# Altium PCB 20220516_Keyboard_V0.2.PcbDoc (part 1 of 2)
Units mil, origin at the board's own origin, x right, y up, seen from the top; angles counter-clockwise.
Board outline 8065.67 x 4703.83 mil, 2 copper layers (Top Layer, Bottom Layer); 129 components, 101 nets, 682 pads, 2065 vias.
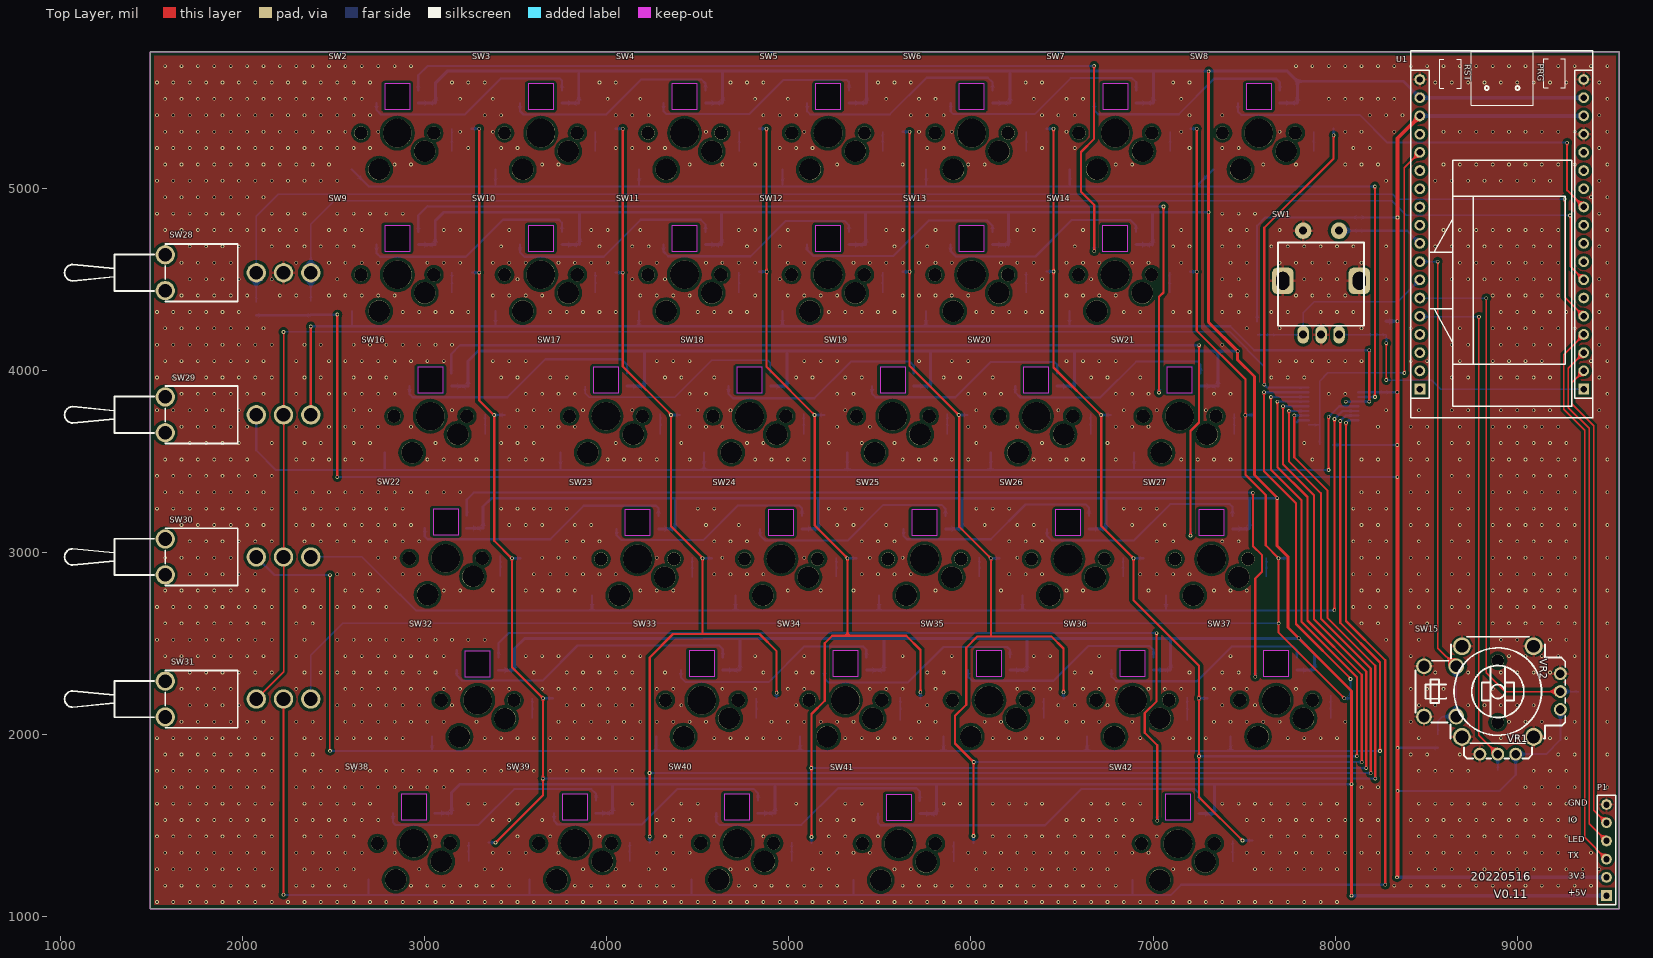
[diagram p0: Top Layer view]
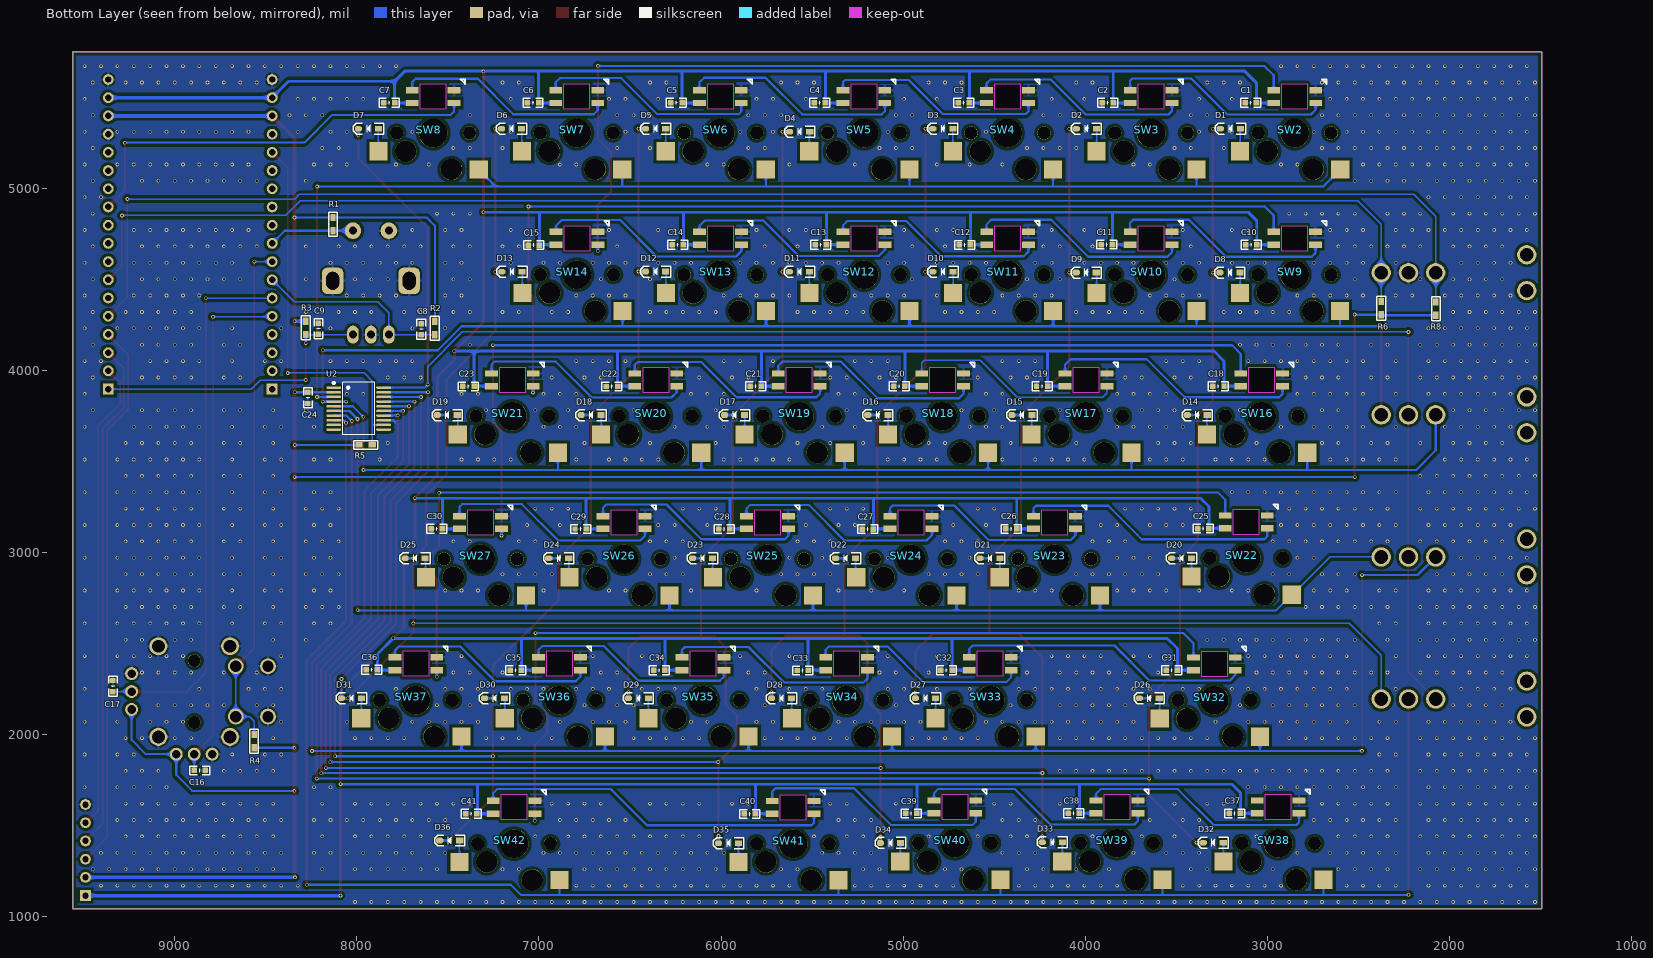
[diagram p1: Bottom Layer view, seen from below]
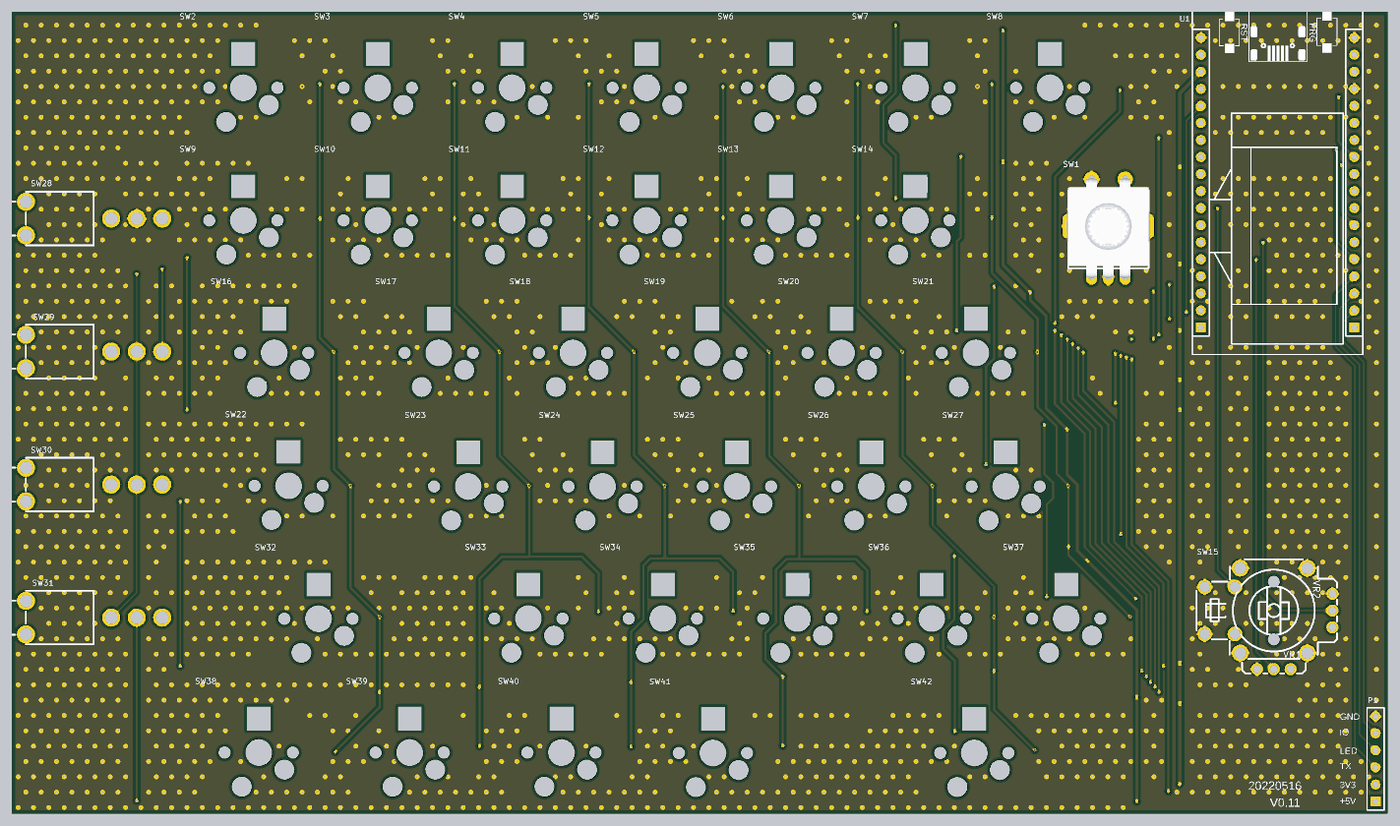
[diagram p3: 3D render of the assembled board from above, using the file's embedded part models]
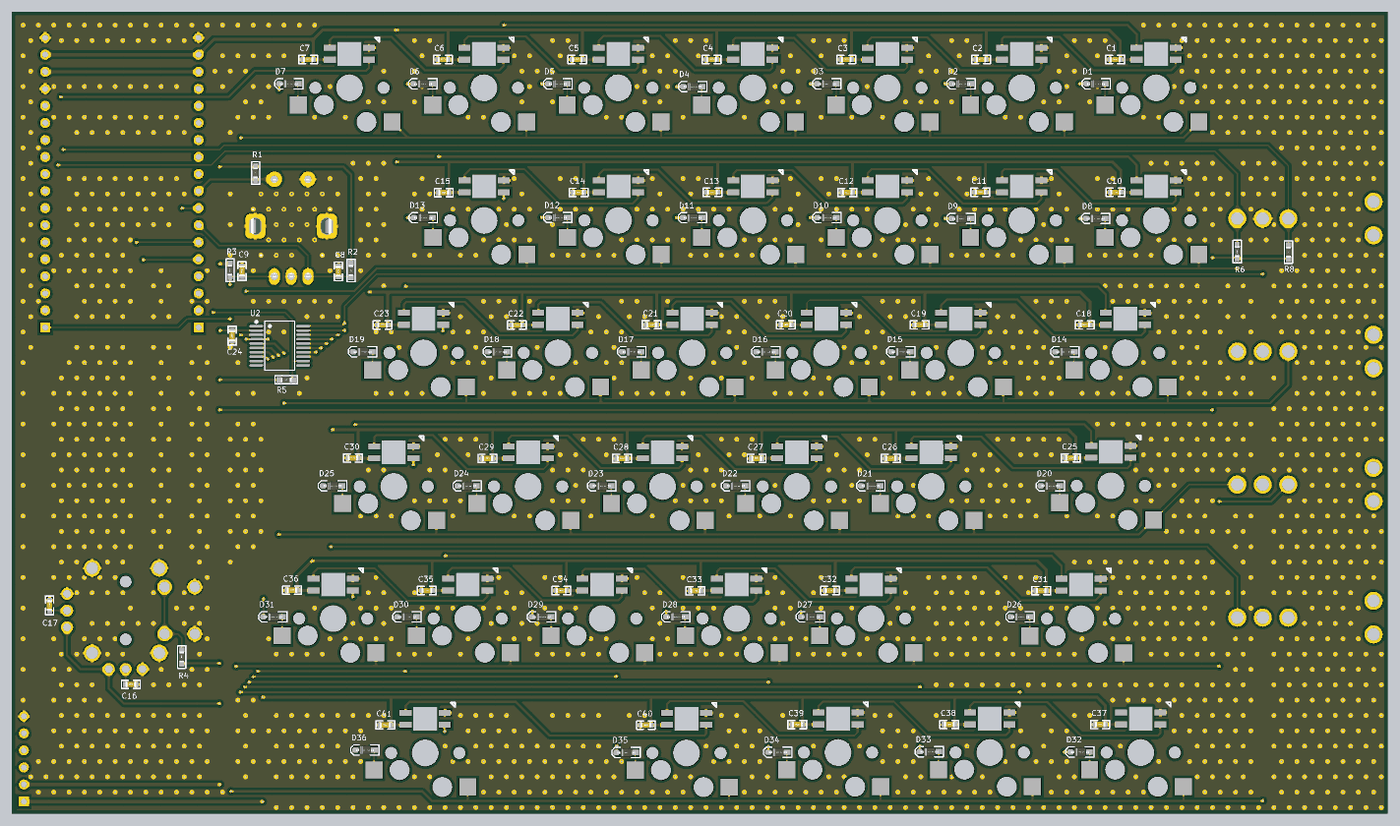
[diagram p4: 3D render of the assembled board from below, using the file's embedded part models]

## Layer stack, top to bottom
Top Solder: solder mask 0.4, Solder Resist, Dk 3.5
Top Layer: signal copper 1.4
Dielectric 1: dielectric 12.6, FR-4, Dk 4.8
Bottom Layer: signal copper 1.4
Bottom Solder: solder mask 0.4, Solder Resist, Dk 3.5

## Board outline
1493.97,1044.09 9559.65,1044.09 9559.65,5747.91 1493.97,5747.91

## Design rules (kind name [scope] priority, off if disabled: settings)
Clearance EARTH [InPolygon vs InNet('EARTH')] p1: gap=39.37
Clearance NETP1-1 [InPolygon vs InNet('NetP1_1')] p2: gap=59.06
Clearance AGND [InPolygon vs InNet('AGND')] p3: gap=39.37
Clearance 12V [InPolygon vs InNet('+12V')] p4: gap=59.06
Clearance inpoly [All vs InPolygon] p5: gap=15.75
Clearance "pad vs trace" [(IsPad) vs (IsTrack)] p6: gap=7.87
Clearance pad [(IsPad) vs (IsPad)] p7: gap=5.91
Clearance Clearance_1 [All] p8: gap=7.87
ComponentClearance [All] p1: gap=0 collisioncheckmode=3 verticalgap=0 showdistances=FALSE
DiffPairsRouting [All] p1: maxlimit=118.11 minlimit=3.94 mostfreqgap=7.87 toplayer_minwidth=15 toplayer_maxwidth=15 toplayer_prefwidth=15 bottomlayer_minwidth=15 bottomlayer_maxwidth=15 bottomlayer_prefwidth=15 maxuncoupledlength=500
HoleSize [All] p1: absolutevalues=TRUE maxlimit=200 minlimit=0 maxpercent=80.000 minpercent=20.000
HoleSize Testpoint [(IsPad And (OnTopLayer Or OnBottomLayer))] p2: absolutevalues=TRUE maxlimit=100 minlimit=1 maxpercent=80.000 minpercent=20.000
HoleSize TestPointUsage [All] p3: absolutevalues=TRUE maxlimit=100 minlimit=1 maxpercent=80.000 minpercent=20.000
HoleToHoleClearance [All] p1: gap=0 allowstackedmicrovias=TRUE
MinimumSolderMaskSliver [All] p1: minsoldermaskwidth=0
MinimumSolderMaskSliver SilkscreenOverComponentPads [IsPad] p2: minsoldermaskwidth=10
NetAntennae [All] p1: netantennaetolerance=99999
PlaneConnect [All] p1: planeconnectstyle=Direct reliefexpansion=20 reliefentries=4 reliefconductorwidth=10 reliefairgap=10
PolygonConnect PolygonConnect_1 [ViaDiameter] p1: connectstyle=Direct reliefconductorwidth=10 reliefentries=4 polygonreliefangle="90 Angle" airgapwidth=10
PolygonConnect [All] p2: connectstyle=Relief reliefconductorwidth=15.75 reliefentries=4 polygonreliefangle="90 Angle" airgapwidth=10
RoutingVias [All] p1: holewidth=11.81 width=27.56 viastyle="Through Hole" minholewidth=5 minwidth=10 maxholewidth=50 maxwidth=200
SilkToSilkClearance [All] p1: silktosilkclearance=0
SilkToSolderMaskClearance [IsPad] p1: minsilkscreentomaskgap=0 clearancetoexposedcopper=TRUE
SolderMaskExpansion [All] p1: expansion=4
Width [All] p1: maxlimit=118.11 minlimit=3.94 preferedwidth=11.81
21 further rules are at their usual default settings.

## Components (designator, comment, footprint, x,y, rotation, side; value= is the part's Value field where it differs from the comment)
C1 "0.1uF/0603" "C 0603_L" 3091.13,5468.49 r180 bottom
C2 "0.1uF/0603" "C 0603_L" 3876.95,5468.49 r180 bottom
C3 "0.1uF/0603" "C 0603_L" 4666.99,5468.49 r180 bottom
C4 "0.1uF/0603" "C 0603_L" 5457.27,5468.49 r180 bottom
C5 "0.1uF/0603" "C 0603_L" 6244.93,5468.49 r180 bottom
C6 "0.1uF/0603" "C 0603_L" 7032.69,5468.49 r180 bottom
C7 "0.1uF/0603" "C 0603_L" 7822.92,5468.49 r180 bottom
C8 "22pF/0603" "C 0603_L" 7645.71,4225.43 r270 bottom
C9 "22pF/0603" "C 0603_L" 8211.01,4227.32 r90 bottom
C10 "0.1uF/0603" "C 0603_L" 3088.66,4689.24 r180 bottom
C11 "0.1uF/0603" "C 0603_L" 3881.86,4690.07 r180 bottom
C12 "0.1uF/0603" "C 0603_L" 4661.68,4688.33 r180 bottom
C13 "0.1uF/0603" "C 0603_L" 5452.62,4689.19 r180 bottom
C14 "0.1uF/0603" "C 0603_L" 6237.5,4688.78 r180 bottom
C15 "0.1uF/0603" "C 0603_L" 7028.4,4687.32 r180 bottom
C16 "0.1uF/0603" "C 0603_L" 8862.81,1802.17 r0 bottom
C17 "0.1uF/0603" "C 0603_L" 9339.42,2265.63 r270 bottom
C18 "0.1uF/0603" "C 0603_L" 3268.66,3911.65 r180 bottom
C19 "0.1uF/0603" "C 0603_L" 4237.18,3911.67 r180 bottom
C20 "0.1uF/0603" "C 0603_L" 5020.92,3911.8 r180 bottom
C21 "0.1uF/0603" "C 0603_L" 5809.02,3912.25 r180 bottom
C22 "0.1uF/0603" "C 0603_L" 6599.13,3910.72 r180 bottom
C23 "0.1uF/0603" "C 0603_L" 7387.01,3910.95 r180 bottom
C24 "0.1uF/0603" "C 0603_L" 8268.66,3847.91 r90 bottom
C25 "0.1uF/0603" "C 0603_L" 3351.45,3130.63 r180 bottom
C26 "0.1uF/0603" "C 0603_L" 4406.66,3128.4 r180 bottom
C27 "0.1uF/0603" "C 0603_L" 5193.61,3127.95 r180 bottom
C28 "0.1uF/0603" "C 0603_L" 5982.52,3128.04 r180 bottom
C29 "0.1uF/0603" "C 0603_L" 6771.54,3128.12 r180 bottom
C30 "0.1uF/0603" "C 0603_L" 7560.37,3129.89 r180 bottom
C31 "0.1uF/0603" "C 0603_L" 3524.85,2352.32 r180 bottom
C32 "0.1uF/0603" "C 0603_L" 4762.07,2352.96 r180 bottom
C33 "0.1uF/0603" "C 0603_L" 5552.09,2351.13 r180 bottom
C34 "0.1uF/0603" "C 0603_L" 6338.55,2352.91 r180 bottom
C35 "0.1uF/0603" "C 0603_L" 7126.95,2352.96 r180 bottom
C36 "0.1uF/0603" "C 0603_L" 7917.69,2355.28 r180 bottom
C37 "0.1uF/0603" "C 0603_L" 3178.45,1566.44 r180 bottom
C38 "0.1uF/0603" "C 0603_L" 4063.26,1567.35 r180 bottom
C39 "0.1uF/0603" "C 0603_L" 4954.78,1566.3 r180 bottom
C40 "0.1uF/0603" "C 0603_L" 5842.52,1563.43 r180 bottom
C41 "0.1uF/0603" "C 0603_L" 7370.94,1564.53 r180 bottom
D1 "1N60" SOD-323 3203.05,5326.18 r0 bottom
D2 "1N60" SOD-323 3994.1,5326.18 r0 bottom
D3 "1N60" SOD-323 4782.09,5326.18 r0 bottom
D4 "1N60" SOD-323 5568.44,5309.5 r0 bottom
D5 "1N60" SOD-323 6359.17,5326.18 r0 bottom
D6 "1N60" SOD-323 7150.41,5326.18 r0 bottom
D7 "1N60" SOD-323 7936.49,5326.18 r0 bottom
D8 "1N60" SOD-323 3205.82,4536.02 r0 bottom
D9 "1N60" SOD-323 3994.53,4536.01 r0 bottom
D10 "1N60" SOD-323 4781.24,4541.1 r0 bottom
D11 "1N60" SOD-323 5569.86,4540.44 r0 bottom
D12 "1N60" SOD-323 6359.31,4541.75 r0 bottom
D13 "1N60" SOD-323 7148.4,4540.5 r0 bottom
D14 "1N60" SOD-323 3385.27,3753.91 r0 bottom
D15 "1N60" SOD-323 4348.02,3753.91 r0 bottom
D16 "1N60" SOD-323 5138.94,3753.91 r0 bottom
D17 "1N60" SOD-323 5925.96,3753.91 r0 bottom
D18 "1N60" SOD-323 6713.58,3753.91 r0 bottom
D19 "1N60" SOD-323 7503.81,3753.91 r0 bottom
D20 "1N60" SOD-323 3471.12,2967.27 r0 bottom
D21 "1N60" SOD-323 4523.77,2967.27 r0 bottom
D22 "1N60" SOD-323 5316.34,2967.27 r0 bottom
D23 "1N60" SOD-323 6101.72,2967.27 r0 bottom
D24 "1N60" SOD-323 6891.16,2967.27 r0 bottom
D25 "1N60" SOD-323 7680.07,2967.27 r0 bottom
D26 "1N60" SOD-323 3648.5,2198.45 r0 bottom
D27 "1N60" SOD-323 4877.94,2198.45 r0 bottom
D28 "1N60" SOD-323 5667.48,2198.45 r0 bottom
D29 "1N60" SOD-323 6454.47,2198.45 r0 bottom
D30 "1N60" SOD-323 7244.01,2198.45 r0 bottom
D31 "1N60" SOD-323 8029.73,2198.45 r0 bottom
D32 "1N60" SOD-323 3297.34,1405.81 r0 bottom
D33 "1N60" SOD-323 4180.72,1407.39 r0 bottom
D34 "1N60" SOD-323 5069.62,1404.23 r0 bottom
D35 "1N60" SOD-323 5958.92,1403.12 r0 bottom
D36 "1N60" SOD-323 7490.02,1417.65 r0 bottom
P1 "Header 6" HDR1X6 9490,1115 r90 top
R1 "10K/0603" "R 0603_M" 8131.01,4802.32 r270 bottom
R2 "10K/0603" "R 0603_M" 7571.7,4230.96 r270 bottom
R3 "10K/0603" "R 0603_M" 8281.01,4232.32 r90 bottom
R4 "10K/0603" "R 0603_M" 8564.61,1962.97 r90 bottom
R5 "47K/NC/0603" "R 0603_M" 7951.36,3589.49 r180 bottom
R6 "10K/0603" "R 0603_M" 2374.97,4341.47 r90 bottom
R8 "10K/0603" "R 0603_M" 2074.53,4338 r90 bottom
SW1 "EC11" EC11-B1 7922.86,4480.81 r270 top locked
SW2 "凯华轴座+3528反贴灯" 轴座+3528反贴灯 2849.99,5302.32 r0 top locked
SW3 "凯华轴座+3528反贴灯" 轴座+3528反贴灯 3638.49,5302.32 r0 top locked
SW4 "凯华轴座+3528反贴灯" 轴座+3528反贴灯 4426.99,5302.32 r0 top locked
SW5 "凯华轴座+3528反贴灯" 轴座+3528反贴灯 5215.5,5302.32 r0 top locked
SW6 "凯华轴座+3528反贴灯" 轴座+3528反贴灯 6004,5302.32 r0 top locked
SW7 "凯华轴座+3528反贴灯" 轴座+3528反贴灯 6792.51,5302.32 r0 top locked
SW8 "凯华轴座+3528反贴灯" 轴座+3528反贴灯 7581.01,5302.32 r0 top locked
SW9 "凯华轴座+3528反贴灯" 轴座+3528反贴灯 2850.4,4524.47 r0 top locked
SW10 "凯华轴座+3528反贴灯" 轴座+3528反贴灯 3638.52,4524.47 r0 top locked
SW11 "凯华轴座+3528反贴灯" 轴座+3528反贴灯 4426.65,4524.47 r0 top locked
SW12 "凯华轴座+3528反贴灯" 轴座+3528反贴灯 5214.77,4524.47 r0 top locked
SW13 "凯华轴座+3528反贴灯" 轴座+3528反贴灯 6002.89,4524.47 r0 top locked
SW14 "凯华轴座+3528反贴灯" 轴座+3528反贴灯 6791.01,4524.47 r0 top locked
SW15 "RKJXV1224005" 摇杆电位器 8862.39,2188.03 r270 top
SW16 "凯华轴座+3528反贴灯" 轴座+3528反贴灯 3031.48,3747.32 r0 top locked
SW17 "凯华轴座+3528反贴灯" 轴座+3528反贴灯 3996.01,3747.32 r0 top locked
SW18 "凯华轴座+3528反贴灯" 轴座+3528反贴灯 4783.51,3747.32 r0 top locked
SW19 "凯华轴座+3528反贴灯" 轴座+3528反贴灯 5571.01,3747.32 r0 top locked
SW20 "凯华轴座+3528反贴灯" 轴座+3528反贴灯 6358.51,3747.32 r0 top locked
SW21 "凯华轴座+3528反贴灯" 轴座+3528反贴灯 7146.01,3747.32 r0 top locked
SW22 "凯华轴座+3528反贴灯" 轴座+3528反贴灯 3116.01,2967.32 r0 top locked
SW23 "凯华轴座+3528反贴灯" 轴座+3528反贴灯 4169.05,2963.63 r0 top locked
SW24 "凯华轴座+3528反贴灯" 轴座+3528反贴灯 4957.04,2963.63 r0 top locked
SW25 "凯华轴座+3528反贴灯" 轴座+3528反贴灯 5745.03,2963.63 r0 top locked
SW26 "凯华轴座+3528反贴灯" 轴座+3528反贴灯 6533.02,2963.63 r0 top locked
SW27 "凯华轴座+3528反贴灯" 轴座+3528反贴灯 7321.01,2963.63 r0 top locked
SW28 "MT-0-102-C004-N004-RS" 钮子开关三脚二档 1975.25,4535.4 r270 top locked
SW29 "MT-0-102-C004-N004-RS" 钮子开关三脚二档 1975.25,3755.02 r270 top locked
SW30 "MT-0-102-C004-N004-RS" 钮子开关三脚二档 1975.25,2974.64 r270 top locked
SW31 "MT-0-102-C004-N004-RS" 钮子开关三脚二档 1975.25,2194.25 r270 top locked
SW32 "凯华轴座+3528反贴灯" 轴座+3528反贴灯 3291.01,2187.32 r0 top locked
SW33 "凯华轴座+3528反贴灯" 轴座+3528反贴灯 4522.1,2188.28 r0 top locked
SW34 "凯华轴座+3528反贴灯" 轴座+3528反贴灯 5310.57,2188.28 r0 top locked
SW35 "凯华轴座+3528反贴灯" 轴座+3528反贴灯 6099.05,2188.28 r0 top locked
SW36 "凯华轴座+3528反贴灯" 轴座+3528反贴灯 6887.53,2188.28 r0 top locked
SW37 "凯华轴座+3528反贴灯" 轴座+3528反贴灯 7676.01,2188.28 r0 top locked
SW38 "凯华轴座+3528反贴灯" 轴座+3528反贴灯 2941.01,1402.32 r0 top locked
SW39 "凯华轴座+3528反贴灯" 轴座+3528反贴灯 3826.01,1402.32 r0 top locked
SW40 "凯华轴座+3528反贴灯" 轴座+3528反贴灯 4716.01,1402.32 r0 top locked
SW41 "凯华轴座+3528反贴灯" 轴座+3528反贴灯 5604.39,1399.78 r0 top
SW42 "凯华轴座+3528反贴灯" 轴座+3528反贴灯 7136.62,1400.14 r0 top
U1 "ESP32&OLED" ESP32+OLED 8915.22,4810.03 r90 top locked
U2 "BC6561" SSOP-20_L7.5-W5.2-P0.65-LS8.0-BL 7989.94,3789.3 r270 bottom locked

## Footprints (in the part's own frame and the unit in brackets; to place one, negate y for a bottom-side part, rotate by r counter-clockwise, add the part's x,y. Pads: shape width x height; smd on the part's side, far side on the other; paste and mask are expansions set on the pad)
"C 0603_L" [mil] "无极性贴片电容"
  rect 30x30 smd: 1(-30.59,0) 2(30.59,0)
  silkscreen extent -55,-24 55,24, body extent -31,-16 31,16, height 32
EC11-B1 [mm] "数字开关编码器"
  rrect50% 3.7x3 hole 1.8 slot 2.5 at 0 deg: 6(-0.254,5.334) 7(-0.254,-5.334)
  oval 2.5x1.6 hole 1.1: A(7.25,-2.5) B(7.25,2.5) C(7.25,0)
  round 2.3 hole 1.1: D(-7.25,-2.5) E(-7.25,2.5)
  silkscreen extent -5.59,-6 6,6, body extent -7.35,-6.24 7.45,6.24, height 22
ESP32+OLED [mm]
  rect 2.286x0.4 on Top Overlay: 0(17.664,-1.369) 0(17.664,-0.709) 0(17.664,-0.049) 0(17.664,0.611) 0(17.664,1.271)
  rect 1.4x1.4 on Top Overlay: 0(18.369,7.185) 0(18.436,-7.343) 0(23.169,7.185) 0(23.236,-7.343)
  round 1.5 hole 0.9: 1(19.976,-11.424) 2(17.436,-11.424) 3(14.896,-11.424) 4(12.356,-11.424) 5(9.816,-11.424) 6(7.276,-11.424) 7(4.736,-11.424) 8(2.196,-11.424) 9(-0.344,-11.424) 10(-2.884,-11.424) 11(-5.424,-11.424) 12(-7.964,-11.424) 13(-10.504,-11.424) 14(-13.044,-11.424) 15(-15.584,-11.424) 16(-18.124,-11.424) 17(-20.664,-11.424) 20(-20.665,11.423) 21(-18.125,11.423) 22(-15.585,11.423) 23(-13.045,11.423) 24(-10.505,11.423) 25(-7.965,11.423) 26(-5.425,11.423) 27(-2.885,11.423) 28(-0.345,11.423) 29(2.195,11.423) 30(4.735,11.423) 31(7.275,11.423) 32(9.815,11.423) 33(12.355,11.423) 34(14.895,11.423) 35(17.435,11.423) 36(19.975,11.423)
  rrect50% 1.7x1.05 on Top Overlay: 6(17.41,-3.624) 7(17.41,3.526) 8(20.86,-3.624) 9(20.86,3.526)
  rect 1.5x1.5 hole 0.9: 18(-23.204,-11.424) 19(-23.205,11.423)
  silkscreen extent -27.24,-12.73 23.97,12.7
HDR1X6 [mm] "Connector; Header; 6 Position"
  rect 1.5x1.5 hole 0.9: 1(0,0)
  round 1.5 hole 0.9: 2(2.54,0) 3(5.08,0) 4(7.62,0) 5(10.16,0) 6(12.7,0)
  silkscreen extent -1.27,-1.27 13.97,1.27
"R 0603_M" [mil] "1/10W贴片电阻"
  rect 40x30 smd: 1(-36.5,0) 2(36.5,0)
  silkscreen extent -66,-24 66,24, body extent -31,-16 31,16, height 16
SOD-323 [mm] "1.8x1.3X0.9mm（长宽高，不包括引脚）"
  rect 1x0.8 smd: 1(-1.4,0)
  oct 1x0.8 smd: 2(1.4,0)
  silkscreen extent -2.11,-0.76 2.11,0.76, body extent -1.34,-0.63 1.31,0.67, height 1
SSOP-20_L7.5-W5.2-P0.65-LS8.0-BL [mm]
  oval 0.364x2.069 smd: 1(-2.925,-3.482) 2(-2.275,-3.482) 3(-1.625,-3.482) 4(-0.975,-3.482) 5(-0.325,-3.482) 6(0.325,-3.482) 7(0.975,-3.482) 8(1.625,-3.482) 9(2.275,-3.482) 10(2.925,-3.482) 11(2.925,3.482) 12(2.275,3.482) 13(1.625,3.482) 14(0.975,3.482) 15(0.325,3.482) 16(-0.325,3.482) 17(-0.975,3.482) 18(-1.625,3.482) 19(-2.275,3.482) 20(-2.925,3.482)
  silkscreen extent -3.71,-3.63 3.68,2.22
摇杆电位器 [mm]
  round 1.8 hole 1.2: 1(7.527,-1.719) 2(7.527,0.781) 3(7.527,3.281) 4(1.297,9.511) 5(-1.202,9.511) 6(-3.703,9.511)
  round 2.5 hole 1.8: 7(-7.527,5.781) 8(-7.527,-4.219) 9(5.123,-4.219) 10(5.123,5.781)
  round 2.2 hole 1.6: a(-4.722,-5.011) b(-4.722,-9.511) c(2.278,-5.011) d(2.278,-9.511)
  round 1.8 hole 1.8 unplated: ""(-5.503,0.781) ""(3.097,0.781)
  silkscreen extent -8.85,-10.72 8.15,10.2
轴座+3528反贴灯 [mil]
  rect 70x35 smd far side: 1(115,165) 2(115,235) 5(-115,235) 6(-115,165)
  rect 100x100 smd far side: 3(-250,-200) 4(300,-100)
  round 72.83 hole 72.83 unplated: ""(-200,0) ""(200,0)
  round 118.11 hole 118.11 unplated: ""(-100,-200) ""(150,-100)
  round 157.48 hole 157.48 unplated: ""(0,0)
  Keep-Out Layer board cut-out: 70,270 -70,270 -70,130 70,130
  body extent -307,-307 307,307, height 136
钮子开关三脚二档 [mm]
  round 2.7 hole 1.9: 1(0,10.15) 2(0,6.35) 3(0,2.55) 4(2.5,-10.15) 5(-2.5,-10.15)
  silkscreen extent -4,-24.18 4,-0.05

## Part data
C1 C2 C3 C4 C5 C6 C7 C8 C9 C10 C11 C12 C13 C14 C15 C16 C17 C18 C19 C20 C21 C22 C23 C24 C25 C26 C27 C28 C29 C30 C31 C32 C33 C34 C35 C36 C37 C38 C39 C40 C41: library part Cap, "Capacitor"
D1 D2 D3 D4 D5 D6 D7 D8 D9 D10 D11 D12 D13 D14 D15 D16 D17 D18 D19 D20 D21 D22 D23 D24 D25 D26 D27 D28 D29 D30 D31 D32 D33 D34 D35 D36: library part Diode, "Default Diode"
P1: "Header, 6-Pin"
R1 R2 R3 R4 R5 R6 R8: library part R, "电阻"
U2: library part TLC1543IDBR

## Via types
v1: diameter 20, hole 12, Top Layer to Bottom Layer, 2065 vias

## Nets (pads, with @x,y where several pads share a name; then routed paths per layer and width w, separated by ;. In a path a pad name is that pad's centre, name@x,y a point inside that pad or via, vN(x,y) a via of type N, cw(c..) or ccw(c..) an arc to the next point about the centre after c; other vN are vias at no path point)
3V3: C24.2 P1.2 R1.1 R2.1 R3.2 R4.1 R5.1 R6.1 R8.1 SW15.3 SW15.4 U1.3 U1.34 U2.2 | length 16846.3
  Top Layer w12: v1(2520,3413.08) v1@2520,4305
  Top Layer w20: v1@8342.3,1217.7 8342.3,5273.24 U1.34@8465.49,5396.43
  Bottom Layer w12: R8.1@2074.53,4301.5 R6.1@2371.5,4301.5 ; R6.1@2374.97,4304.97 v1@2521.01,4304.97 ; v1(2520,3413.08) v1(8341.84,3413.08) ; R2.1@7571.7,4267.46 7571.7,4794.09 7616.43,4838.82 R1.1@8131.01,4838.82 v1(8342.41,4838.82) ; R5.1@7987.86,3589.49 v1(8341.43,3589.49) ; U2.2@8127.03,3878.87 v1(8340.55,3878.87) ; v1@8340,1690 8903.67,1690 8991.56,1777.89 SW15.3@8991.56,1891.68 9158.46,1891.68 9236.83,1970.05 SW15.4@9236.83,2136.96 ; v1@8343.26,1926.47 R4.1@8564.61,1926.47 ; U1.34@8465.49,5396.43 U1.34@8465.55,5396.49
  Bottom Layer w20: R3.2@8281.01,4268.82 v1(8341.89,4268.82) ; v1(8340,1215) P1.2@9490,1215 ; U1.34@8465.49,5396.43 U1.3@9363.57,5396.43
  other v1: 8342.99,1690 8342.99,1926.29 2521.01,4305.62
+5V: C1.2 C2.2 C3.2 C4.2 C5.2 C6.2 C7.2 C10.2 C11.2 C12.2 C13.2 C14.2 C15.2 C18.2 C19.2 C20.2 C21.2 C22.2 C23.2 C25.2 C26.2 C27.2 C28.2 C29.2 C30.2 C31.2 C32.2 C33.2 C34.2 C35.2 C36.2 C37.2 C38.2 C39.2 C40.2 C41.2 P1.1 SW2.1 SW3.1 SW4.1 SW5.1 SW6.1 SW7.1 SW8.1 SW9.1 SW10.1 SW11.1 SW12.1 SW13.1 SW14.1 SW16.1 SW17.1 SW18.1 SW19.1 SW20.1 SW21.1 SW22.1 SW23.1 SW24.1 SW25.1 SW26.1 SW27.1 SW32.1 SW33.1 SW34.1 SW35.1 SW36.1 SW37.1 SW38.1 SW39.1 SW40.1 SW41.1 SW42.1 U1.2 U1.35 | length 43876.4
  Top Layer w16: v1(7305.2,5640.98) 7305.2,4263.71 v1(7464.8,4104.11) 7464.8,4056.95 7556.98,3964.77 7556.98,3424.3 v1@7682.77,3298.51 ; v1(7681.79,3297.52) 7681.79,3034.75 7740.76,2975.77 7740.76,2587.07 8089.91,2237.91 v1(8089.91,1727.08) 8089.91,1115.09 v1(8090,1115)
  Bottom Layer w16: SW2.1@2964.99,5467.32 C1.2@3052.09,5467.32 ; SW9.1@2965.4,4689.47 C10.2@3054.56,4689.47 ; SW38.1@3056.01,1567.32 C37.2@3140.78,1567.32 ; C10.2@3058.07,4689.24 3058.07,4820.58 3105.18,4867.69 v1(7305,4867.69) ; C1.2@3060.54,5468.49 3060.54,5578.54 3124.06,5642.06 7737.19,5642.06 7792.33,5586.93 ; SW16.1@3146.48,3912.32 C18.2@3234.57,3912.32 ; C37.2@3147.86,1566.44 3147.86,1679.51 3194.92,1726.57 v1@8089.91,1726.57 ; SW22.1@3231.01,3132.32 C25.2@3316.41,3132.32 ; C18.2@3238.07,3911.65 3238.07,4049.25 3293.7,4104.88 v1@7465.93,4104.88 ; C25.2@3320.86,3130.63 3320.86,3251.11 3366.69,3296.93 v1@7681.79,3296.93 ; SW32.1@3406.01,2352.32 C31.2@3491.11,2352.32 ; C31.2@3494.26,2352.32 3494.26,2472.15 3549.5,2527.4 v1@7799.96,2527.4 ; SW10.1@3753.52,4689.47 C11.2@3842.26,4689.47 ; SW3.1@3753.49,5467.32 C2.2@3841.71,5467.32 ; C2.2@3846.36,5468.49 3846.36,5641.37 ; C11.2@3851.27,4690.07 3851.27,4867.6 ; SW39.1@3941.01,1567.32 C38.2@4027.14,1567.32 ; C38.2@4032.67,1567.35 4032.67,1726.2 ; SW17.1@4111.01,3912.32 C19.2@4197.8,3912.32 ; C19.2@4206.59,3911.67 4206.59,4103.54 ; SW23.1@4284.05,3128.63 C26.2@4370.95,3128.63 ; C26.2@4376.07,3128.4 4376.07,3291.12 ; SW11.1@4541.65,4689.47 C12.2@4629.96,4689.47 ; SW4.1@4541.99,5467.32 C3.2@4631.32,5467.32 ; C12.2@4631.09,4688.33 4631.09,4866.26 ; C3.2@4636.4,5468.49 4636.4,5641.83 ; SW33.1@4637.1,2353.28 C32.2@4725.94,2353.28 ; C32.2@4731.48,2352.96 4731.48,2521.88 ; SW40.1@4831.01,1567.32 C39.2@4917.57,1567.32 ; SW18.1@4898.51,3912.32 C20.2@4984.86,3912.32 ; C39.2@4924.19,1566.3 4924.19,1725.13 ; C20.2@4990.33,3911.8 4990.33,4104.02 ; SW24.1@5072.04,3128.63 C27.2@5158.58,3128.63 ; C27.2@5163.02,3127.95 5163.02,3295.31 ; SW12.1@5329.77,4689.47 C13.2@5417.65,4689.47 ; SW5.1@5330.5,5467.32 C4.2@5420.93,5467.32 ; C13.2@5422.03,4689.19 5422.03,4865.29 ; SW34.1@5425.57,2353.28 C33.2@5514.05,2353.28 ; C4.2@5426.68,5468.49 5426.68,5641.34 ; C33.2@5521.5,2351.13 5521.5,2521.63 ; SW19.1@5686.01,3912.32 C21.2@5771.93,3912.32 ; SW41.1@5719.39,1564.78 C40.2@5805.15,1564.78 ; C21.2@5778.43,3912.25 5778.43,4102.89 ; C40.2@5811.93,1563.43 5811.93,1724.41 ; SW25.1@5860.03,3128.63 C28.2@5946.22,3128.63 ; C28.2@5951.93,3128.04 5951.93,3294.69 ; SW13.1@6117.89,4689.47 C14.2@6205.35,4689.47 ; SW6.1@6119,5467.32 C5.2@6210.55,5467.32 ; C14.2@6206.91,4688.78 6206.91,4864.63 ; SW35.1@6214.05,2353.28 C34.2@6302.15,2353.28 ; C5.2@6214.34,5468.49 6214.34,5638.9 ; C34.2@6307.96,2352.91 6307.96,2520.77 ; SW20.1@6473.51,3912.32 C22.2@6559,3912.32 ; C22.2@6568.54,3910.72 6568.54,4098.87 ; SW26.1@6648.02,3128.63 C29.2@6733.85,3128.63 ; C29.2@6740.95,3128.12 6740.95,3290.93 ; SW14.1@6906.01,4689.47 C15.2@6993.05,4689.47 ; SW7.1@6907.51,5467.32 C6.2@7000.16,5467.32 ; C15.2@6997.81,4687.32 6997.81,4864.63 ; C6.2@7002.1,5468.49 7002.1,5638.25 ; SW36.1@7002.53,2353.28 C35.2@7090.26,2353.28 ; C35.2@7096.35,2352.96 7096.35,2522.92 ; SW42.1@7251.62,1565.14 7337.31,1565.14 7337.31,1725.49 ; SW21.1@7261.01,3912.32 C23.2@7346.06,3912.32 ; C23.2@7356.42,3910.95 7356.42,4105.12 ; SW27.1@7436.01,3128.63 C30.2@7521.49,3128.63 ; C30.2@7529.78,3129.89 7529.78,3295.7 ; SW8.1@7696.01,5467.32 C7.2@7789.77,5467.32 ; SW37.1@7791.01,2353.28 C36.2@7878.37,2353.28 ; C7.2@7792.33,5468.49 7792.33,5586.93 ; v1(7799.96,2528.03) 7887.1,2440.9 C36.2@7887.1,2355.28 ; U1.35@8465.49,5496.43 8375,5586.93 7792.33,5586.93
  Bottom Layer w20: v1(8090,1115) P1.1@9485,1115 ; U1.35@8465.49,5496.43 8465.55,5496.49 U1.2@9364.99,5496.49
AXIS_BUTTON: R4.2 SW15.a SW15.c U1.26 | length 2824.8
  Top Layer w8: v1@8564.8,4599.14 8564.8,2474.22 SW15.a@8665.1,2373.92
  Bottom Layer w8: U1.26@8465.49,4596.43 v1(8563.15,4596.43) ; R4.2@8564.61,1999.47 8564.61,2073.49 8589.45,2098.33 SW15.c@8665.1,2098.33 SW15.a@8665.1,2373.92
AXIS_X: C16.2 SW15.2 U1.23 | length 2861
  Top Layer w8: v1@8788.66,4294.36 8788.66,1996.16 SW15.2@8893.13,1891.68
  Bottom Layer w8: U1.23@8465.49,4296.43 8465.84,4296.78 8468.96,4293.66 v1(8789.88,4293.66) ; C16.2@8893.13,1802.44 SW15.2@8893.13,1891.68
AXIS_Y: C17.2 SW15.5 U1.24 | length 2976.5
  Top Layer w8: v1(8830,4395) 8830,2338.24 8932.86,2235.37 SW15.5@9236.83,2235.37
  Bottom Layer w8: U1.24@8465.49,4396.43 v1@8833.57,4396.43 ; SW15.5@9236.83,2235.37 C17.2@9339.09,2235.37
BC_RX: U1.30
BC_TX: R5.2 U1.32 U2.12 | length 2142.8
  Top Layer w8: v1(8380,3985) 8380,5110.94 U1.32@8465.49,5196.43
  Bottom Layer w8: U2.12@7852.85,3699.74 7914.6,3699.74 ; R5.2@7914.86,3589.49 7914.86,3939.86 7960,3985 v1(8380,3985)
COL0: D1.2 D8.2 D14.2 D20.2 D26.2 D32.2 U2.14 | length 11281.9
  Top Layer w12: v1(3299.68,5326.18) 3299.68,3833.63 3382.44,3750.86 3382.44,3063.1 3478.99,2966.56 3478.99,2369.78 3649.78,2198.99 3649.78,1666.59 v1(3389,1405.81) ; v1(7775.87,3751.95) 7775.87,3521.6 7957.34,3340.13 7957.34,2640.49 8219.88,2377.95 8219.88,1757.3 v1(8219.76,1757.18)
  Bottom Layer w12: D1.2@3258.17,5326.18 v1(3299.68,5326.18) ; D8.2@3260.94,4536.02 v1(3299.53,4536.02) ; D32.2@3352.46,1405.81 v1(3389,1405.81) ; v1(3381.5,3753.91) D14.2@3440.39,3753.91 ; v1(3479.42,2967.27) D20.2@3526.24,2967.27 ; v1(3648.42,1757.17) v1@8225.7,1757.17 ; v1(3650.5,2198.45) D26.2@3703.62,2198.45 ; v1@7775.87,3750.92 U2.14@7852.85,3750.92
COL1: D2.2 D9.2 D15.2 D21.2 D27.2 D33.2 U2.15 | length 11438
  Top Layer w12: v1(4088.15,5326.18) 4088.15,4020.79 4353.48,3755.46 4353.48,3141.7 4526.59,2968.59 4526.59,2551.75 4838.74,2551.75 4933.06,2457.43 v1(4933.06,2228.56) ; v1(4235.84,1439.36) 4235.84,2422.68 4364.15,2550.99 4526.59,2550.99 ; v1@7746,3775.08 7746,3500.71 7921.46,3325.26 7921.46,2636.79 8196.01,2362.23 v1(8196.01,1787.32)
  Bottom Layer w12: D2.2@4049.22,5326.18 v1(4088.15,5326.18) ; D9.2@4049.65,4536.01 v1(4088.17,4536.01) ; v1(4234.64,1788.22) v1@8191.37,1788.22 ; D33.2@4235.84,1407.39 v1(4235.84,1439.36) ; v1(4352.83,3753.91) D15.2@4403.14,3753.91 ; v1@4526.08,2967.27 D21.2@4578.89,2967.27 ; D27.2@4933.06,2198.45 v1(4933.06,2228.56) ; v1(7746.02,3776.51) U2.15@7852.85,3776.51
  other v1: 4525.97,2967.15
COL2: D3.2 D10.2 D16.2 D22.2 D28.2 D34.2 U2.16 | length 10482.4
  Top Layer w12: v1(4877.34,5326.18) 4877.34,4018.4 5142.77,3752.97 5142.77,3147.36 v1@5322.21,2967.92 ; v1(5124.74,1437.12) 5124.74,2111.91 5197.26,2184.43 5197.26,2501.18 5237.76,2541.68 5644.79,2541.68 5722.6,2463.87 v1(5722.6,2231.98) ; 5322.21,2541.68 v1@5322.21,2967.27 ; v1@7713.64,3801.6 7713.64,3483.07 7884.65,3312.06 7884.65,2630.86 8170.31,2345.2 v1(8170.31,1814.99)
  Bottom Layer w12: D10.2@4836.36,4541.1 v1(4878.78,4541.1) ; D3.2@4837.21,5326.18 v1(4877.34,5326.18) ; v1(5122.95,1815.71) v1@8170.31,1815.71 ; D34.2@5124.74,1404.23 v1(5124.74,1437.12) ; v1(5141.29,3753.91) D16.2@5194.06,3753.91 ; v1(5321.33,2967.27) D22.2@5371.46,2967.27 ; D28.2@5722.6,2198.45 v1(5722.6,2231.98) ; v1(7713.87,3802.1) U2.16@7852.85,3802.1
COL3: D4.2 D11.2 D17.2 D23.2 D29.2 D35.2 U2.17 | length 9609.5
  Top Layer w12: v1(5663.28,5309.5) 5663.28,4023 5935.32,3750.96 5935.32,3140.73 6110.92,2965.13 6110.92,2542.53 6114.92,2538.53 ; v1(6013.74,1442.22) 6013.74,1848.87 5912.88,1949.73 5912.88,2102.02 5973.76,2162.9 5973.76,2476.41 6035.87,2538.53 6114.92,2538.53 ; v1(6508.12,2231.2) 6508.12,2471.77 6441.36,2538.53 6114.92,2538.53 ; v1(7682.67,3827.7) 7682.67,3469.04 7847.85,3303.87 7847.85,2625.55 8146.01,2327.39 v1(8146.01,1847.32)
  Bottom Layer w12: D4.2@5623.55,5309.5 v1(5663.28,5309.5) ; D11.2@5624.98,4540.44 v1(5663.17,4540.44) ; v1(5932.77,3753.91) D17.2@5981.08,3753.91 ; D35.2@6014.03,1403.12 v1@6014.03,1442.22 ; v1(6015.4,1848.63) v1@8146.01,1848.63 ; v1(6109.14,2967.27) D23.2@6156.84,2967.27 ; v1(6508.12,2231.2) 6508.12,2205.37 6512.32,2201.18 D29.2@6509.59,2198.45 ; v1@7682.49,3827.69 U2.17@7852.85,3827.69
COL4: D5.2 D12.2 D18.2 D24.2 D30.2 D36.2 U2.18 | length 7870.9
  Top Layer w12: v1(6453.65,5326.18) 6453.65,4015.09 6715.69,3753.05 6715.69,3144.29 6892.76,2967.22 6892.76,2736.81 7252.6,2376.97 7252.6,1655.53 v1@7492.54,1415.58 ; v1(7647.03,3853.28) 7647.03,3454.68 7815.64,3286.07 7815.64,2619.42 8119.22,2315.84 v1(8119.22,1880.15)
  Bottom Layer w12: D5.2@6414.29,5326.18 v1(6453.65,5326.18) ; D12.2@6414.43,4541.75 v1(6454.18,4541.75) ; v1(6714.62,3753.91) D18.2@6768.7,3753.91 ; v1(6892.58,2967.27) D24.2@6946.28,2967.27 ; v1(7251.3,2198.45) D30.2@7299.12,2198.45 ; v1(7252.33,1880.25) v1@8119.22,1880.25 ; v1(7491.31,1417.65) D36.2@7545.14,1417.65 ; v1(7647.03,3853.28) U2.18@7852.85,3853.28
COL5: D6.2 D13.2 D19.2 D25.2 D31.2 SW31.1 U2.19 | length 11414.5
  Top Layer w12: v1(7240.25,5326.18) 7240.25,4217.43 7508.55,3949.13 7508.55,3425.09 7619.17,3314.47 7619.17,3038.21 7688.23,2969.15 7688.23,2560.71 v1(8050.49,2198.45) ; v1@7609.59,3876.13 7609.59,3445.41 7784.71,3270.29 7784.71,2606.36 8084.85,2306.23 8084.6,2305.98 v1(8084.6,2304.61)
  Bottom Layer w8: SW31.1@2374.85,2194.25 2374.85,2434.85 2550,2610 v1(7690,2610)
  Bottom Layer w12: D13.2@7203.52,4540.5 v1(7240.3,4540.5) ; D6.2@7205.52,5326.18 v1(7240.25,5326.18) ; v1@7508.56,3753.17 7507.82,3753.91 D19.2@7558.93,3753.91 ; v1(7609.27,3878.87) U2.19@7852.85,3878.87 ; v1(7688.65,2967.27) D25.2@7735.19,2967.27 ; v1(8050.49,2198.45) D31.2@8084.85,2198.45 8084.6,2198.69 v1(8084.6,2304.61)
  other v1: 7506.34,3752.68
COL6: D7.2 SW29.2 SW30.2 SW31.3 U2.20 | length 9453.4
  Top Layer w8: SW31.3@2075.64,2194.25 2225,2343.61 SW30.2@2225,2975 ; SW30.2@2225.25,2974.64 SW29.2@2225.25,3755.02 v1@2225.25,4209.75
  Top Layer w12: v1@7610.81,3920.45 7610.81,4782.28 7991.61,5163.08 v1(7991.61,5290.43)
  Bottom Layer w8: v1(2225,4210) 7420,4210 7610.38,4019.62 v1(7610.38,3920.98)
  Bottom Layer w12: v1(7610.38,3920.98) 7626.89,3904.46 U2.20@7852.85,3904.46 ; v1(7991.61,5290.43) D7.2@7991.61,5326.18
EC11_1_A: C8.2 R2.2 SW1.A U1.25 | length 1089.2
  Bottom Layer w8: R2.2@7571.7,4194.46 7823.52,4194.46 SW1.A@7824.44,4195.38 7824.44,4315.35 7884.81,4375.72 8344.78,4375.72 U1.25@8465.49,4496.43
EC11_1_B: C9.1 R3.1 SW1.B U1.18 | length 1614
  Top Layer w8: v1(8281.01,3946.26) v1(8281.01,4148.69)
  Bottom Layer w8: SW1.B@8021.29,4195.38 8280.57,4195.38 R3.1@8281.01,4195.82 v1(8281.01,4148.69) ; v1@8281.01,3946.06 8531.03,3946.06 8580.6,3896.49 U1.18@9364.99,3896.49
EC11_BUTTON: R1.2 SW1.E U1.27 | length 473.1
  Bottom Layer w12: SW1.E@8021.29,4766.24 8130.59,4766.24 R1.2@8131.01,4765.82 8396.11,4765.82 U1.27@8465.49,4696.43